# Allegro board ADRV9371-N_PCBZ_Layout_RevB.brd (continued)
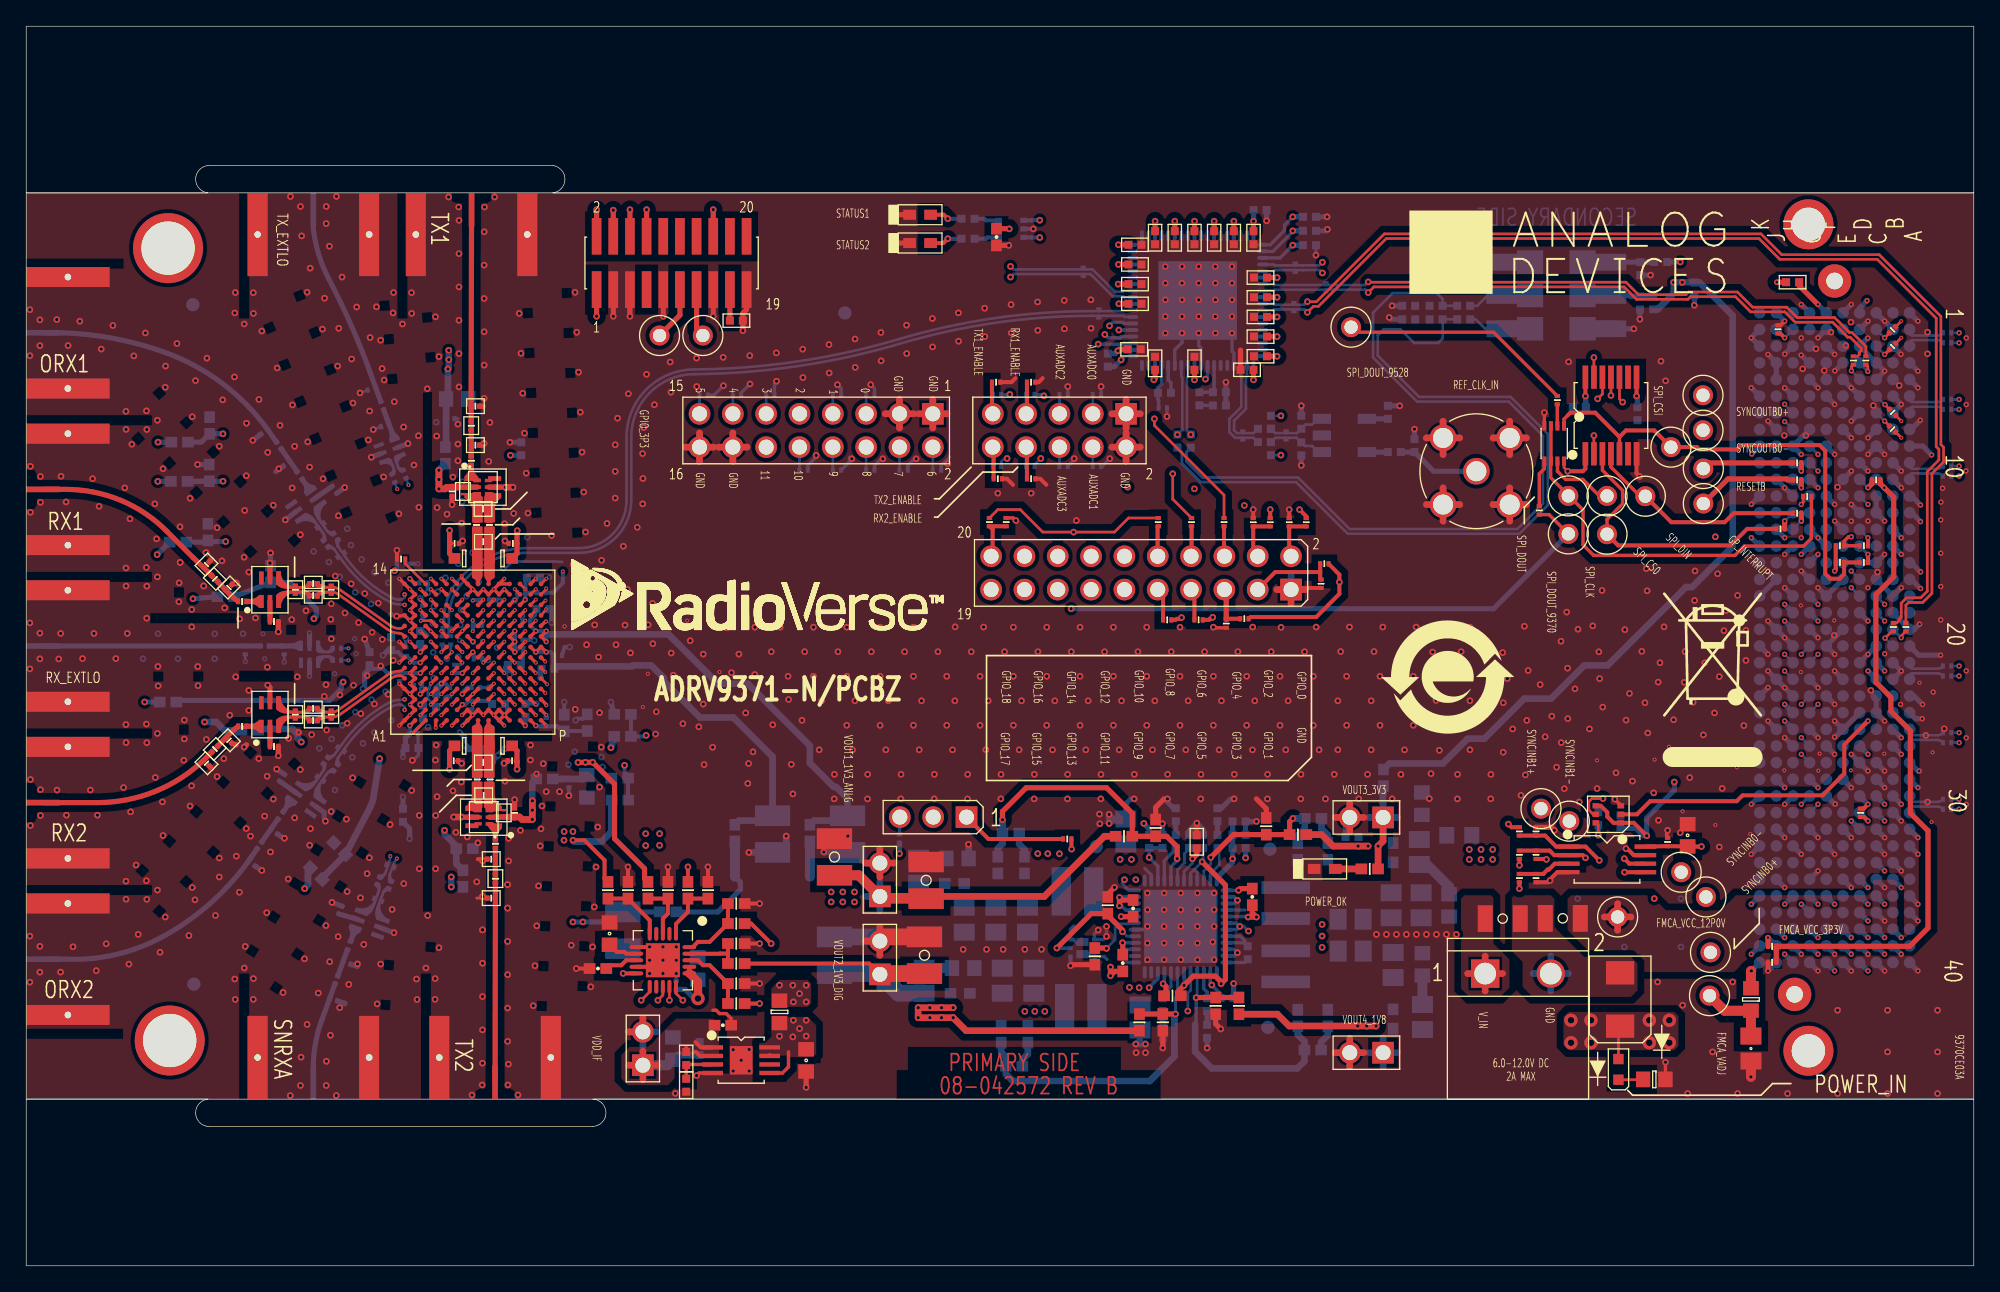
[diagram p0: board, top side]
## Routing (per net, layer and track width the routed paths; a pad name or vN(x,y) marks a point on that pad's centre or on a via; arc(x,y) is an arc through that point) (continued)
  L12_PWR w0.508: 100.88,15.16 P706.2 ; P706.2 100.88,17.32 ; P706.2 99.8,16.24 ; P706.2 101.96,16.24 ; 107.99,61.84 J401.2 ; J401.2 109.26,63.11 ; J401.2 106.72,63.11 ; J401.2 107.99,64.38 ; J401.5 107.99,59.3 ; J401.5 106.72,58.03 ; J401.5 109.26,58.03 ; J401.5 107.99,56.76 ; 68.02,64.94 P503.1 ; P503.1 69.1,63.86 ; P503.1 69.1,66.02 ; P503.1 70.18,64.94 ; P503.3 66.56,66.02 ; P503.3 67.64,64.94 ; P503.3 65.48,64.94 ; P503.3 66.56,63.86 ; J401.4 114.34,58.03 ; J401.4 113.07,56.76 ; J401.4 111.8,58.03 ; J401.4 113.07,59.3 ; 51.32,61.32 P503.16 ; P503.16 52.4,62.4 ; P503.16 50.24,62.4 ; P503.16 51.32,63.48 ; 65.52,25.81 P704.2 63.98,24.75 ; 53.86,61.32 P503.14 ; P503.14 52.78,62.4 ; P503.14 54.94,62.4 ; P503.14 53.86,63.48 ; 65.06,31.78 P703.2 66.14,30.7 ; 82.75,64.94 P501.1 ; P501.1 83.83,66.02 ; P501.1 84.91,64.94 ; P501.1 83.83,63.86 ; J401.3 114.34,63.11 ; J401.3 111.8,63.11 ; J401.3 113.07,61.84 ; J401.3 113.07,64.38 ; P705.2 101.96,34.18 ; P705.2 100.88,33.1 ; P705.2 100.88,35.26 ; P705.2 99.8,34.18 ; P501.2 84.91,62.4 ; P501.2 83.83,61.32 ; P501.2 83.83,63.48 ; P501.2 82.75,62.4
  L13_GND w0.508: P502.1 97.48,51.55 ; P502.1 95.32,51.55 ; P502.1 96.4,52.63 ; P502.1 96.4,50.47 ; P705.2 101.96,34.18 ; P705.2 99.8,34.18 ; P705.2 100.88,33.1 ; P705.2 100.88,35.26 ; P703.2 66.14,30.7 ; P703.2 65.06,31.78 ; P703.2 63.98,30.7 ; P703.2 65.06,29.62 ; 106.72,58.03 J401.5 ; J401.5 109.26,58.03 ; J401.5 107.99,59.3 ; J401.5 107.99,56.76 ; 82.75,64.94 P501.1 ; P501.1 83.83,66.02 ; P501.1 84.91,64.94 ; P501.1 83.83,63.86 ; J401.3 113.07,64.38 ; J401.3 113.07,61.84 ; J401.3 111.8,63.11 ; J401.3 114.34,63.11 ; P503.14 54.94,62.4 ; P503.14 53.86,63.48 ; P503.14 52.78,62.4 ; P503.14 53.86,61.32 ; 107.99,61.84 J401.2 ; J401.2 106.72,63.11 ; J401.2 107.99,64.38 ; J401.2 109.26,63.11 ; P503.16 52.4,62.4 ; P503.16 51.32,63.48 ; P503.16 51.32,61.32 ; P503.16 50.24,62.4 ; 47,16.75 47,17.83 ; 47,17.83 48.08,17.83 ; 47,17.83 47,18.91 ; 47,17.83 45.92,17.83 ; P706.2 101.96,16.24 ; P706.2 100.88,17.32 ; P706.2 99.8,16.24 ; P706.2 100.88,15.16 ; 83.83,61.32 P501.2 ; P501.2 82.75,62.4 ; P501.2 83.83,63.48 ; P501.2 84.91,62.4 ; 66.56,63.86 P503.3 ; P503.3 66.56,66.02 ; P503.3 67.64,64.94 ; P503.3 65.48,64.94 ; P701.2 117.53,22.27 ; P701.2 116.2,23.61 ; P701.2 116.2,20.94 ; P701.2 114.86,22.27 ; 63.98,24.75 P704.2 ; P704.2 66.14,24.75 ; P704.2 65.06,23.67 ; P704.2 65.06,25.83 ; 111.8,58.03 J401.4 ; J401.4 113.07,59.3 ; J401.4 113.07,56.76 ; J401.4 114.34,58.03 ; P503.1 69.1,66.02 ; P503.1 70.18,64.94 ; P503.1 68.02,64.94 ; P503.1 69.1,63.86
  BOTTOM w0.127: 23.95,20.11 L217.1 C217.2
  BOTTOM w0.203: C330.2 v4(16.69,46.06) ; 30.85,44.27 30.72,44.14 30.72,43.99 30.62,43.89 30.62,43.22 30.87,42.97 31,42.97 ; C331.2 v4(19.67,46.02) ; 27.04,63.96 v1(26.45,63.74) ; 36.63,53.26 37.05,53.68 40.14,53.68 40.85,53.65 ; 26.03,66.75 v1(25.44,66.54)
  BOTTOM w0.254: C506.2 v1(81.92,67.03) ; v5(28.44,44.38) 28.46,44.39 C621.2 ; C503.2 79.38,60.95 79.94,61.5 ; C619.2 33.08,45.81 v5(33.24,45.98) ; R417.1 v1(98.3,77.04) ; v1(82.59,61.53) 81.99,60.93 C505.2 ; C640.2 30.22,50.68 v3(30.03,50.87) ; v1(53.14,67.09) 52.42,66.37 C527.2 ; R419.2 98.44,78.89 ; C627.2 v3(35.19,46.18) ; U701.30 85.21,25.62 v1(85.46,25.87) ; U401.13 87.54,69.82 88.09,70.37 v1(88.09,71.09) ; v1(64.37,67.16) 64.65,66.88 C523.2 ; C645.2 30.3,48.37 30.62,48.05 ; v1(82.33,25.87) v1(82.33,25.11) 82.1,24.87 Q701.4 81.42,25.31 v1(81.7,25.59) ; v1(89.36,71.09) 89.36,70.14 89.54,69.96 U401.9 ; 32.89,64.58 C321.2 ; 70.37,61.64 69.73,61.01 C528.2 ; U701.10 92.06,24.12 v1(92.32,23.86) 92.07,23.62 U701.11 ; 67.83,61.64 67.19,61.01 C529.2 ; C526.2 54.49,66.55 v1(55.16,67.22) ; v1(29.43,38.53) 29.5,38.53 29.89,38.92 C603.2 29.87,39.49 C605.2 ; C610.2 33.97,42.05 v5(34.04,41.98) ; C413.2 v1(86.95,64.74) ; C615.2 v3(35.33,44.07) ; C609.2 36.64,42.82 36.64,42.17 v5(36.44,41.98) ; 62.75,61.64 62.75,61.29 C531.2 ; C642.2 37.41,50.9 v3(37.24,50.72) ; v1(49.55,22.28) 49.54,22.27 C649.2 ; C504.2 v1(79.38,67.03) ; 60.21,61.64 59.57,61.01 C532.2 ; U701.3 92.07,27.62 v1(92.32,27.86) 92.06,28.12 U701.2 ; C629.2 29.34,44.28 v5(29.24,44.38) ; v3(37.78,49.53) 37.78,49.52 C654.2 ; 62.11,66.85 62.11,66.88 v1(61.83,67.16) ; 62.11,66.85 61.8,67.16 ; 62.11,66.85 C524.2 ; C525.2 57.03,67.27 v1(57.18,67.43) ; C530.2 64.65,61.01 65.29,61.64 ; U401.4 92.04,68.63 92.04,69.57 91.9,69.7 v1(91.9,71.09) ; C644.2 v3(38.88,42.83) ; C606.2 32.1,43.25 v3(32.01,43.25) ; C625.2 v3(28.94,47.82)
  BOTTOM w0.305: v5(39.64,41.98) 39.63,41.96 C617.2 ; C613.2 41.03,47.16 v3(41.42,47.16) ; C326.2 41.37,35.84 v3(41.36,35.84) ; C633.2 v4(29.85,53.51) ; v3(38.72,47.66) 38.67,47.72 C637.2 ; C616.2 v3(41,42.97) ; C631.2 34.74,49.01 34.81,49.07 ; Q701.1 v1(79.6,22.87) ; v3(30.6,51.3) C641.2 ; U402.2 v1(76.76,79.04)
  BOTTOM w0.381: 86.73,35.59 87.45,34.87 C704.1 ; v1(93.76,33.87) C712.1 R710.2 ; C701.2 83.81,35.21 84.19,35.59 ; C620.2 v1(25.79,47.77)
  BOTTOM w0.394: v1(18.62,54.34) 18.62,54.34 C626.2 ; P801.J38 v2(134.02,25.02) ; P801.G32 v2(136.56,32.64) ; v2(144.54,42.79) 143.89,43.43 P801.A24 ; P801.A40 v2(144.18,22.48) ; P801.A37 v2(144.18,26.29) ; v1(99.17,79) 99.06,78.89 98.44,78.89 ; C219.2 25.24,22.81 ; P801.A9 144.55,62.48 v2(145.22,61.81) ; P801.A29 v2(144.18,36.45) ; P801.C28 v2(141.64,37.72) ; P801.B10 v2(142.91,60.58) ; v2(139.1,38.99) P801.D28 v2(140.37,37.72) ; P801.F6 v2(137.83,65.66) ; P801.K21 v2(132.75,46.61) ; C618.2 v3(44.56,42.97) ; v2(134.03,69.5) 134.63,70.1 P801.H3 ; v2(144.28,37.72) 144.19,37.72 P801.A28 ; v2(137.85,68.22) 137.86,68.22 P801.E4 ; P801.E26 137.88,40.31 v2(137.83,40.31) ; P801.E26 v2(137.83,41.53) ; P801.E26 P801.D25 ; P801.J40 v2(132.75,22.48) ; v2(132.75,49.15) P801.J20 v2(134.02,47.88) P801.H21 ; v2(132.75,52.96) P801.J17 P801.K18 ; P801.K3 v2(131.48,70.74) P801.K2 ; v1(97.18,61.01) R404.2 ; v1(99.15,79.96) R418.2 ; 24.24,20.02 24.25,19.98 24.31,19.99 ; 24.24,20.02 23.95,20.11 ; 24.24,20.02 C217.2 ; v2(144.39,52.9) 144.37,52.9 143.67,53.59 P801.A16 ; R428.2 104.04,72.15 103.9,72.29 v1(103.89,72.29) ; R403.1 v1(97.18,65.56) ; v1(90,16.6) C710.1 ; C653.2 40.03,49.91 v3(40.03,49.02) ; P801.K6 v2(131.48,66.93) ; P801.K30 v2(131.48,35.18) ; P801.E20 P801.F21 v2(137.83,46.61) ; v2(144.36,64.45) 143.66,63.75 P801.A8 ; P801.K24 132.75,44.07 v2(132.75,44.08) ; P801.F36 v2(137.83,27.56) ; P801.H39 v2(135.29,23.75) ; R236.2 v1(19.09,37.86) ; P801.H18 v2(134.02,51.69) ; P801.E1 v2(139.1,73.28) ; P801.E5 v2(139.1,66.93) P801.D6 ; P801.J29 v2(134.02,36.45) ; Y401.3 Y403.2 Y402.3 v1(122.53,71.42) ; P801.H24 v2(134.02,44.07) P801.J23 v2(132.75,45.34) ; P801.D13 v2(139.1,58.04) ; v2(144.38,58) 143.7,58.67 P801.A12 ; P801.E40 v2(139.1,22.48) ; v2(137.88,35.2) 137.81,35.2 P801.F30 ; C705.2 84.9,17.23 v1(84.57,16.9) ; P801.G29 v2(136.56,36.45) ; P801.G5 v2(136.56,66.93) ; P801.C20 P801.C21 v2(140.37,46.61) P801.D22 ; C636.2 36.57,45.68 36.57,45.53 36.84,45.26 v3(36.84,45.05) ; P801.J11 v2(134.02,59.31) P801.H12 ; P801.G40 v2(136.56,22.48) ; P801.B27 v2(142.91,38.99) ; P801.B26 v2(142.91,40.26) ; P801.A33 v2(144.18,31.37) ; P801.D37 v2(140.37,26.29) ; v2(142.89,69.48) 142.89,69.49 P801.B3 ; P801.B31 v2(142.91,33.91) ; C647.2 v1(36.86,62.77) ; P801.G26 v2(136.56,40.26) ; P801.B39 v2(142.91,23.75) ; v2(135.29,73.28) P801.G1 ; T307.5 v4(21.59,44.96) ; v2(141.64,41.53) P801.C25 P801.C24 ; P801.A4 v2(144.18,68.2) ; v2(145.91,46.55) 144.25,46.55 P801.A21 ; P801.G35 v2(136.56,30.1) ; R401.1 v1(105.81,63.78) ; P801.C1 v2(141.64,72.01) P801.B2 ; P801.K15 v2(131.48,55.5) ; P801.C17 P801.B18 v2(142.91,51.69) ; P801.K39 v2(131.48,23.75) ; P801.B11 v2(142.91,59.31) ; C420.2 v1(94.54,79.66) ; v1(19.68,32.59) 19.63,32.59 19.63,32.62 19.59,32.61 C235.2 ; P801.B35 v2(142.91,28.83) ; v2(144.31,48.91) 143.92,48.51 P801.A20 P801.B19 ; C737.1 100.54,33.84 P705.2 ; R713.2 88.63,33.16 v1(89.22,33.74) 89.7,33.26 C702.1 ; T308.2 v1(29.1,62.67) ; v2(140.37,63.12) P801.C8 ; P801.B23 v2(142.91,45.34) P801.B22 ; P801.H6 v2(134.02,66.93) ; R402.1 v1(104.68,65.55) ; P801.H30 v2(134.02,35.18) ; P801.D16 P801.C16 v2(141.64,54.23) ; v2(132.75,69.47) P801.J4 P801.J5 ; T204.5 22.7,34.57 22.7,34.16 ; v1(13.06,61.08) 13.06,61.07 C630.2 ; v2(137.83,61.85) P801.F9 ; P801.C36 v2(141.64,27.56) ; P801.B38 v2(142.91,25.02) ; P801.F15 v2(136.56,55.5) P801.G14 ; v1(127.14,73.22) C738.1 ; P801.F3 v2(137.83,69.47) ; C708.1 91.09,34.87 91.81,35.59 ; P801.E35 v2(139.1,28.83) ; C405.1 v1(109.44,77.5) ; P801.B34 v2(142.91,30.1) ; v3(39.2,44.83) 39.2,45.55 C612.2 ; P801.G4 135.87,68.83 v2(135.28,69.42) ; P801.K12 v2(131.48,58.04) ; C711.1 v1(92.02,21.51) ; P801.A36 v2(144.18,27.56) ; P801.E32 v2(139.1,32.64) ; v2(144.38,56.73) 143.7,57.4 P801.A13 ; P801.J26 v2(132.75,41.53) ; v2(140.37,61.85) P801.C9 v2(141.64,61.85) ; P801.G8 P801.H9 v2(135.29,61.85) ; P801.D2 v2(140.37,72.01) ; T307.2 v4(21.59,48.23) ; P801.A5 v2(144.18,66.93) ; P801.J14 v2(134.02,55.5) ; v2(139.1,64.39) P801.D7 ; P801.F33 v2(137.83,31.37) ; P801.B30 v2(142.91,35.18) ; P801.E17 P801.F18 v2(136.56,51.69) ; P801.E14 v2(137.83,56.77) ; v2(139.1,63.12) P801.E8 ; P801.G17 v2(135.29,52.96) ; C233.2 17.9,30.18 17.9,30.14 v1(17.96,30.14) ; P801.A32 v2(144.18,32.64) ; v1(86.6,33.69) R706.2 ; P801.G23 v2(136.56,44.07) ; P801.C29 v2(141.64,36.45) ; P801.J8 v2(132.75,64.39) ; C404.2 v1(123.8,75.51) ; v2(140.36,70.71) 140.35,70.71 P801.D3 P801.C4 v2(141.64,68.2) P801.C5 ; P801.D10 v2(140.37,60.58) ; P801.F24 v2(137.83,42.8) ; P801.F27 v2(137.83,38.99) ; P801.G38 v2(136.56,25.02) ; P801.E23 v2(137.83,45.34) ; P801.J1 v2(134.02,72.01) ; P801.A17 143.67,52.32 144.37,51.63 v2(144.39,51.63) ; P801.C40 v2(141.64,22.48) ; T202.5 v1(28.03,25.39) ; v2(144.51,41.7) 144.01,41.7 P801.A25 ; P801.H36 v2(134.02,27.56) ; v1(122.99,72.16) R409.1 ; P801.K33 v2(131.48,31.37) ; P801.J35 v2(134.02,28.83) ; P801.B15 v2(142.91,54.23) ; P801.F2 v2(136.56,70.74) ; P801.H27 v2(134.02,40.26) ; P801.H33 v2(135.29,31.37) ; T308.5 v1(26.3,61.63) ; P801.J32 v2(134.02,32.64) ; P801.C38 v2(141.64,25.02) ; P801.B6 v2(142.91,65.66) P801.B7 ; P801.A1 v2(144.18,72.01) ; R228.2 v1(24.27,59.32) ; C406.1 v1(104.1,73.18) ; P801.F12 v2(137.83,58.04) ; P801.K9 v2(131.52,61.88) ; P801.K36 v2(131.48,27.56) ; P801.B14 v2(142.91,55.5) ; P801.C32 v2(141.64,32.64) ; v1(91.44,67.36) C410.1 C411.1 ; P801.F39 v2(137.83,23.75) ; P801.K27 v2(131.48,38.99) ; P801.D39 v2(140.37,23.75) ; C635.2 36.1,50.75 ; P801.E38 v2(139.1,25.02) ; C227.2 19.02,60.54 ; P801.C12 P801.C13 v2(141.64,56.77) ; v2(139.1,60.58) P801.E11 ; P801.H15 v2(134.02,54.23) ; P801.E29 v2(139.1,36.45) ; P801.G11 v2(136.56,59.31) ; C706.1 v1(86.63,16.6) ; P801.G20 v2(136.56,47.88) ; T203.5 v1(19.75,56.86) ; C225.2 v1(17.27,62.92) ; P801.D19 v2(140.37,49.15) ; P801.C33 v2(141.64,31.37) ; C220.2 v1(23.3,27.7)
  BOTTOM w0.508: P503.14 53.86,63.48 ; P503.14 54.94,62.4 ; P503.14 53.86,61.32 ; P503.14 52.78,62.4 ; 82.75,62.4 P501.2 ; P501.2 83.83,63.48 ; P501.2 83.83,61.32 ; P501.2 84.91,62.4 ; P502.1 97.48,51.55 ; P502.1 95.32,51.55 ; P502.1 96.4,52.63 ; 99.8,16.24 P706.2 100.88,15.16 ; 63.98,30.7 P703.2 65.06,31.78 ; P503.16 52.4,62.4 ; P503.16 51.32,63.48 ; P503.16 50.24,62.4 ; P503.16 51.32,61.32 ; 47,17.83 48.08,17.83 ; 47,17.83 47,18.91 ; 47,17.83 45.92,17.83 ; 47,17.83 47,16.75 ; J401.3 113.07,64.38 ; J401.3 114.34,63.11 ; J401.3 111.8,63.11 ; J401.3 113.07,61.84 ; J401.4 113.07,59.3 ; J401.4 111.8,58.03 ; J401.4 114.34,58.03 ; 114.86,22.27 P701.2 ; P701.2 116.2,20.94 ; P701.2 117.53,22.27 ; P701.2 116.2,23.61 ; 65.48,64.94 P503.3 ; P503.3 66.56,63.86 ; P503.3 67.64,64.94 ; P503.3 66.56,66.02 ; 65.06,23.67 P704.2 ; P704.2 66.14,24.75 ; P704.2 63.98,24.75 ; P704.2 65.06,25.83 ; P501.1 84.91,64.94 ; P501.1 83.83,66.02 ; P501.1 82.75,64.94 ; P501.1 83.83,63.86 ; v1(84.57,16.9) v1(85.31,16.9) ; v1(71.82,32.12) 71.83,32.11 R732.2 ; P503.1 69.1,66.02 ; P503.1 70.18,64.94 ; P503.1 69.1,63.86 ; P503.1 68.02,64.94 ; 106.72,58.03 J401.5 ; J401.5 107.99,59.3 ; J401.5 109.26,58.03 ; 106.72,63.11 J401.2 ; J401.2 109.26,63.11 ; J401.2 107.99,64.38 ; J401.2 107.99,61.84 ; v1(55.08,31.51) C611.2 57.51,31.51 57.92,31.92 v1(57.92,32.75) ; 100.88,35.26 P705.2 99.8,34.18 ; v1(82.54,34.4) v1(82.54,33.72) 82.88,34.06 C701.2 ; v1(60.79,31.54) 62.56,31.54 C652.2 62.62,31.53 v1(62.62,32.75)
  BOTTOM w1.27: P704.2 64.75,25.07 C639.2
  vias: v1(0.27,72.88) v1(0.28,69.37) v1(0.27,49) v1(0.28,45.5) v1(0.27,25.13) v1(0.28,21.62) v1(0.32,60.94) v1(0.32,57.43) v1(0.32,37.07) v1(0.32,33.56) v1(1.04,72.1) v1(1.04,70.14) v1(1.08,60.17) v1(1.08,58.2) v1(1.04,48.23) v1(1.04,46.26) v1(1.08,36.29) v1(1.08,34.32) v1(1.04,24.35) v1(1.04,22.39) v1(2.33,72.13) v1(2.34,36.26) v1(2.48,46.26) v1(2.65,60.18) v1(2.62,48.2) v1(2.62,22.39) v1(3.03,58.22) v1(3.06,34.35) v1(3.19,70.14) v1(3.56,24.32) v1(4.08,72) v1(4.29,46.29) v1(4.88,36.26) v1(5.06,60) v1(5.16,48.2) v1(5.33,22.5) v1(5.42,34.35) v1(5.55,57.9) v1(5.71,69.88) v1(6.09,24.55) v1(6.6,71.67) v1(6.83,46.29) v1(7.42,36.45) v1(7.51,59.3) v1(7.6,65.13) v1(7.61,63.76) v1(7.6,53.19) v1(7.61,51.82) v1(7.6,41.25) v1(7.61,39.88) v1(7.6,29.32) v1(7.61,27.94) v1(7.7,48.2) v1(7.82,22.99) v1(7.9,56.94) v1(7.95,34.6) v1(8.05,62.62) v1(8.2,69.36) v1(8.37,30.55) v1(8.53,25.26) v1(9.08,71.11) v1(9.16,65.17) v1(9.16,53.23) v1(9.18,49.36) v1(9.16,41.29) v1(9.16,29.36) v1(9.19,63.75) v1(9.19,51.81) v1(9.19,39.87) v1(9.19,27.93) v1(9.8,58.08) v1(9.84,37.22) v1(9.93,55.41) v1(10,64.45) v1(10,52.51) v1(10.04,45.68) v1(10.06,44.2) v1(10,40.58) v1(10,28.64) v1(10.2,23.9) v1(10.38,35.36) v1(10.43,60.76) v1(10.43,32.8) v1(10.62,68.58) v1(10.59,66.96) v1(10.59,26.59) v1(11.49,70.3) v1(11.65,52.06) v1(11.63,50.62) v1(11.72,56.33) v1(11.73,53.62) v1(12.05,41.6) v1(12.05,40.16) v1(12.01,38.54) v1(12.49,58.51) v1(12.49,35.04) v1(12.4,25.17) v1(12.65,64.72) v1(12.61,50.03) v1(12.61,48.7) v1(12.6,36.59) v1(12.65,28.83) v1(12.86,27.89) v1(12.9,67.47) v1(13.07,45.68) v1(13.09,44.22) v1(13.53,51.82) v1(13.77,69.19) v1(13.71,54.35) v1(13.73,40.12) v1(14.42,26.7) v1(14.55,56.26) v1(14.55,37.29) v1(14.71,62.47) v1(14.71,31.08) v1(14.71,29.64) v1(14.98,66.01) v1(14.92,53.73) v1(15.06,38.65) v1(15.12,50.15) v1(15.52,41.97) v1(15.87,67.76) v1(15.93,74.19) v1(15.89,72.63) v1(15.96,44.89) v1(15.89,21.86) v1(15.93,20.3) v1(16.01,31.23) v1(16.27,49.31) v1(16.24,28.47) v1(16.61,71.79) v1(16.65,57.58) v1(16.6,54.01) v1(16.61,22.7) v1(16.77,60.22) v1(16.77,33.33) v1(16.69,24.34) v1(16.79,64.23) v1(16.96,52.88) v1(16.96,43.86) v1(16.96,42.34) v1(17.09,32.75) v1(17.31,74.18) v1(17.32,72.6) v1(17.32,21.89) v1(17.31,20.31) v1(17.47,49.39) v1(17.74,66.04) v1(17.73,38.65) v1(17.96,71.25) v1(18.17,34.27) v1(18.38,45.63) v1(18.36,37.32) v1(18.33,26.92) v1(18.41,62) v1(18.61,31.54) v1(18.83,57.98) v1(18.83,35.58) v1(19.12,68.44) v1(19.25,60.75) v1(19.34,64.07) v1(19.57,20.83) v1(19.97,29.49) v1(20,40.2) v1(20.13,81.51) v1(20.12,12.97) v1(20.27,59.29) v1(20.23,49.25) v1(20.29,65.62) v1(20.46,62.47) v1(20.46,34.15) v1(20.66,44.89) v1(20.9,80.75) v1(20.89,55.73) v1(20.89,37.82) v1(20.95,15.9) v1(20.9,13.74) v1(20.99,78.5) v1(21.21,23.4) v1(21.32,49.93) v1(21.41,74.22) v1(21.46,62.81) v1(21.41,18.4) v1(21.64,76.05) v1(21.6,60.88) v1(21.66,33.32) v1(21.6,32.06) v1(22.26,20.79) v1(22.57,71.4) v1(22.62,59.99) v1(22.74,73.76) v1(22.87,80.75) v1(22.86,79.44) v1(22.85,44.3) v1(22.81,33.89) v1(22.84,25.93) v1(22.88,15.59) v1(22.86,13.74) v1(23.11,77.72) v1(23.13,23.18) v1(23.19,17.57) v1(23.21,49.27) v1(23.25,47.79) v1(23.24,34.63) v1(23.64,81.51) v1(23.63,12.98) v1(23.74,68.58) v1(23.77,25.09) v1(23.82,71.46) v1(23.79,57.17) v1(23.89,19.67) v1(24.07,75.37) v1(24.4,34.04) v1(24.46,28.53) v1(24.58,21.45) v1(24.8,69.12) v1(24.88,37.2) v1(24.9,65.77) v1(25.19,73.09) v1(25.25,23.01) v1(25.47,28.05) v1(25.73,24.49) v1(25.98,29.89) v1(26.07,62.95) v1(26.17,65.16) v1(26.15,31.1) v1(26.21,70.76) v1(26.69,73.1) v1(26.75,19.96) v1(27.01,70.55) v1(27.01,23) v1(27.13,68.39) v1(27.28,67.52) v1(27.24,60.14) v1(27.73,33.63) v1(27.89,27.16) v1(27.95,72.63) v1(27.99,74.19) v1(28.05,65.87) v1(28.4,57.32) v1(28.67,71.79) v1(28.76,63.94) v1(28.77,29.13) v1(29.37,74.18) v1(29.38,72.6) v1(29.38,36.23) v1(29.55,61.04) v1(29.75,21.86) v1(29.79,20.3) v1(29.89,63.27) v1(29.92,57.81) v1(29.96,34.33) v1(29.96,30.26) v1(30.46,22.7) v1(30.57,66.85) v1(30.59,26.69) v1(31.19,38.55) v1(31.17,21.89) v1(31.16,20.31) v1(31.19,72.34) v1(31.28,63.25) v1(31.24,39.7) v1(31.2,34.33) v1(31.2,30.26) v1(31.31,57.79) v1(31.31,35.76) v1(31.46,69.3) v1(31.46,24.25) v1(32.07,57.3) v1(32.19,81.47) v1(32.52,60.12) v1(32.53,36.2) v1(32.75,33.04) v1(32.96,80.71) v1(32.98,79.69) v1(32.98,77.15) v1(32.98,74.61) v1(32.98,72.07) v1(32.98,69.53) v1(32.98,66.99) v1(32.9,64.16) v1(32.9,62.64) v1(32.9,61.37) v1(33.19,56.61) v1(33.16,36.88) v1(33.61,32.69) v1(33.97,13.02) v1(34.34,29.27) v1(34.43,32.24) v1(34.78,30.86) v1(34.77,28.14) v1(34.77,25.6) v1(34.77,23.06) v1(34.77,20.52) v1(34.77,17.98) v1(34.77,15.44) v1(34.75,13.78) v1(34.93,80.71) v1(34.9,78.82) v1(34.9,76.28) v1(34.9,73.74) v1(34.9,71.2) v1(34.9,68.66) v1(34.9,66.12) v1(35.25,61.31) v1(35.34,64.28) v1(35.7,81.47) v1(36.46,56.56) v1(36.49,36.94) v1(36.69,29.06) v1(36.76,32.59) v1(36.76,30.86) v1(36.69,27.27) v1(36.69,24.73) v1(36.69,22.19) v1(36.69,19.65) v1(36.69,17.11) v1(36.75,15.37) v1(36.72,13.78) v1(37.15,57.35) v1(37.48,13.02) v1(37.58,72.6) v1(37.66,33.19) v1(37.71,69.56) v1(37.84,66.51) v1(37.97,63.47) v1(38.11,60.42) v1(38.24,57.38) v1(38.43,39.7) v1(38.43,38.55) v1(38.64,19.82) v1(38.78,22.87) v1(38.91,25.91) v1(39.04,28.96) v1(39.18,32) v1(39.23,33.31) v1(39.31,35.05) v1(39.4,38.27) v1(39.63,36.14) v1(40.04,55.66) v1(40.65,36.14) v1(41.54,24.44) v1(41.7,53.46) v1(41.83,74.2) v1(41.84,42.41) v1(41.96,71.16) v1(42.1,68.11) v1(42.23,65.07) v1(42.36,62.02) v1(42.49,58.98) v1(42.63,55.93) v1(42.71,47.34) v1(43.03,21.26) v1(43.16,24.31) v1(43.32,48.86) v1(43.3,27.35) v1(43.43,30.4) v1(43.56,33.44) v1(43.62,46.4) v1(43.7,42.16) v1(43.69,36.49) v1(43.85,53.77) v1(43.83,39.54) v1(44.27,56.59) v1(44.89,62.59) v1(44.89,60.55) v1(44.89,58.52) v1(44.95,47.34) v1(45.07,64.61) v1(45.51,54.85) v1(45.64,48.84) v1(45.82,51.56) v1(45.89,66.47) v1(46.05,46.72) v1(46.57,56.3) v1(46.98,61.91) v1(46.99,58.08) v1(47.06,63.89) v1(47,60.01) v1(47.28,67.95) v1(47.4,48.86) v1(47.51,23.29) v1(47.51,22.28) v1(47.74,50.49) v1(47.76,47.42) v1(47.88,65.64) v1(48.53,24.31) v1(48.53,23.29) v1(48.53,22.28) v1(49.08,68.9) v1(49.14,66.6) v1(49.16,46.71) v1(49.32,45.02) v1(49.48,13.14) v1(49.55,24.31) v1(49.55,23.29) v1(50.05,41.32) v1(50.61,47.65) v1(51.09,69.19) v1(51.1,67.03) v1(51.26,41.08) v1(51.6,46.62) v1(51.6,42.82) v1(51.66,38.2) v1(52.32,39.52) v1(53.12,69.25) v1(53.37,48.63) v1(53.75,45.21) v1(53.88,16.47) v1(53.88,14.84) v1(54.32,46.62) v1(54.49,15.67) v1(54.83,42.15) v1(55.06,38.29) v1(55,36.77) v1(55.15,69.38) v1(55.1,16.49) v1(55.1,14.84) v1(55.39,39.17) v1(55.54,48.68) v1(55.53,45.07) v1(56.79,46.81) v1(56.9,41.24) v1(57.17,69.59) v1(57.46,48.68) v1(58.07,44.94) v1(58.1,43.17) v1(58.31,38.22) v1(58.44,35.97) v1(59.18,69.87) v1(59.13,41.58) v1(59.2,67.71) v1(59.33,46.81) v1(60,48.68) v1(60,44.94) v1(60.21,61.78) v1(60.44,39.33) v1(60.62,43.07) v1(61.18,70.22) v1(61.2,68.06) v1(61.58,35.59) v1(61.6,37.46) v1(61.87,46.81) v1(62.54,48.68) v1(62.54,44.94) v1(62.54,41.2) v1(62.92,61.51) v1(62.98,39.33) v1(63.17,70.65) v1(63.19,68.48) v1(63.16,43.07) v1(64.14,37.46) v1(64.12,35.59) v1(64.41,46.81) v1(65.08,48.68) v1(65.08,44.94) v1(65.08,41.2) v1(65.14,71.14) v1(65.16,68.98) v1(65.29,61.51) v1(65.52,39.33) v1(65.7,43.07) v1(66.68,37.46) v1(66.66,35.59) v1(66.95,46.81) v1(67.09,71.7) v1(67.11,69.54) v1(67.62,48.68) v1(67.62,44.94) v1(67.62,41.2) v1(67.83,61.51) v1(68.06,39.33) v1(68.24,43.07) v1(69.06,72.21) v1(69.08,70.04) v1(69.22,37.46) v1(69.2,35.59) v1(69.49,46.81) v1(70.16,44.94) v1(70.16,41.2) v1(70.24,61.13) v1(70.6,39.33) v1(70.78,43.07) v1(70.8,48.7) v1(71.05,72.64) v1(71.06,70.48) v1(71.41,24.12) v1(71.76,37.46) v1(71.74,35.59) v1(72.03,46.81) v1(72.7,44.94) v1(72.7,41.2) v1(72.97,48.69) v1(73.05,72.99) v1(73.06,70.83) v1(73.14,39.33) v1(73.19,24.12) v1(73.32,43.07) v1(74.05,58.89) v1(74.28,35.59) v1(74.3,37.46) v1(74.46,24.12) v1(74.57,46.81) v1(75.06,73.27) v1(75.08,71.11) v1(75.24,48.68) v1(75.24,44.94) v1(75.24,41.2) v1(75.68,39.33) v1(75.86,43.07) v1(76.11,24.12) v1(76.59,58.89) v1(76.84,37.46) v1(76.82,35.59) v1(77.08,73.47) v1(77.1,71.31) v1(77.11,46.81) v1(77.38,24.12) v1(77.78,48.68) v1(77.78,44.94) v1(77.78,41.2) v1(78.22,39.33) v1(78.4,43.07) v1(79.11,73.59) v1(79.13,71.43) v1(79.38,37.46) v1(79.36,35.59) v1(79.65,46.81) v1(79.87,61.53) v1(80.04,56.81) v1(80.32,48.68) v1(80.32,44.94) v1(80.32,41.2) v1(80.76,39.33) v1(80.94,43.07) v1(81.14,73.63) v1(81.16,71.47) v1(81.8,34.43) v1(81.83,33.69) v1(81.92,37.46) v1(81.9,35.59) v1(82.19,46.81) v1(82.86,48.68) v1(82.86,44.94) v1(82.86,41.2) v1(83.3,39.33) v1(83.48,43.07) v1(84.46,37.46) v1(84.44,35.59) v1(84.59,16.24) v1(84.73,46.81) v1(85.31,16.24) v1(85.4,48.68) v1(85.4,44.94) v1(85.4,41.2) v1(85.46,28.41) v1(85.46,27.14) v1(85.46,24.6) v1(85.46,23.33) v1(85.84,39.33) v1(86.02,43.07) v1(86.73,28.41) v1(86.73,27.14) v1(86.73,25.87) v1(86.73,24.6) v1(86.73,23.33) v1(86.82,76.17) v1(86.82,74.9) v1(86.82,73.63) v1(86.82,72.36) v1(86.82,71.09) v1(86.98,35.59) v1(87,37.46) v1(87.27,46.81) v1(87.94,48.68) v1(87.94,44.94) v1(87.94,41.2) v1(88,28.41) v1(88,27.14) v1(88,25.87) v1(88,24.6) v1(88,23.33) v1(88.09,76.17) v1(88.09,74.9) v1(88.09,73.63) v1(88.09,72.36) v1(88.38,39.33) v1(88.56,43.07) v1(89.27,28.41) v1(89.27,27.14) v1(89.27,25.87) v1(89.27,24.6) v1(89.27,23.33) v1(89.36,76.17) v1(89.36,74.9) v1(89.36,73.63) v1(89.36,72.36) v1(89.54,37.46) v1(89.52,35.59) v1(89.81,46.81) v1(90.48,48.68) v1(90.48,44.94) v1(90.48,41.2) v1(90.43,24.68) v1(90.54,28.41) v1(90.54,27.14) v1(90.54,25.87) v1(90.54,23.33) v1(90.63,76.17) v1(90.63,74.9) v1(90.63,73.63) v1(90.63,72.36) v1(90.63,71.09) v1(90.92,39.33) v1(91.1,43.07) v1(91.9,76.17) v1(91.9,74.9) v1(91.9,73.63) v1(91.9,72.36) v1(92.08,37.46) v1(92.06,35.59) v1(92.35,46.81) v1(93.02,44.94) v1(93.02,41.2) v1(93.48,48.69) v1(93.46,39.33) v1(93.64,43.07) v1(94.62,37.46) v1(94.6,35.59) v1(94.89,46.81) v1(95.56,44.94) v1(95.56,41.2) v1(95.64,48.66) v1(96,39.33) v1(96.18,43.07) v1(97.16,37.46) v1(97.14,35.59) v1(97.43,46.81) v1(98.1,44.94) v1(98.1,41.2) v1(98.32,48.69) v1(98.54,39.33) v1(99.02,35.59) v1(99.7,37.46) v1(99.97,43.07) v1(99.97,39.33) v1(100.19,46.82) v1(100.64,44.94) v1(100.64,41.2) v1(100.86,48.69) v1(101.56,35.59) v1(102.24,37.46) v1(102.51,43.07) v1(102.51,39.33) v1(102.73,46.82) v1(102.91,25.26) v1(103.18,44.94) v1(103.18,41.2) v1(103.4,48.69) v1(103.67,25.26) v1(104.1,35.59) v1(104.43,25.26) v1(104.78,37.46) v1(105.05,43.07) v1(105.05,39.33) v1(105.27,46.82) v1(105.19,25.26) v1(105.72,44.94) v1(105.72,41.2) v1(105.94,48.69) v1(105.96,25.26) v1(106.72,25.26) v1(106.94,35.61) v1(107.07,37.51) v1(107.2,46.78) v1(107.45,43.1) v1(107.48,25.26) v1(107.71,39.29) v1(107.96,45) v1(107.96,41.19) v1(108.24,25.26) v1(109.08,35.59) v1(109,25.26) v1(109.09,37.46) v1(109.37,46.81) v1(110.04,48.68) v1(110.04,44.94) v1(110.04,43.07) v1(110.04,41.2) v1(110.04,39.33) v1(111.63,37.46) v1(111.62,35.59) v1(112.53,46.74) v1(112.57,42.92) v1(112.57,39.14) v1(112.89,44.76) v1(113.3,40.92) v1(113.93,35.86) v1(114.19,48.75) v1(114.26,37.42) v1(114.37,41.58) v1(114.47,45.37) v1(115.39,44.31) v1(115.77,40.33) v1(116.28,41.89) v1(116.64,38) v1(116.98,47.61) v1(117,39.88) v1(117.23,36.37) v1(117.41,49.83) v1(117.47,45.55) v1(117.56,68.91) v1(117.5,41.7) v1(118.04,43.98) v1(118.27,48.52) v1(118.37,35.35) v1(119.15,40.92) v1(119.4,48.78) v1(119.73,36.38) v1(119.86,46.8) v1(119.92,44.76) v1(120.1,51.48) v1(120.16,42.59) v1(121.17,37.58) v1(121.84,48.49) v1(121.94,41.6) v1(122.2,43.63) v1(122.43,36.94) v1(123.14,46.84) v1(123.38,42.92) v1(123.48,53.14) v1(123.54,51.45) v1(123.6,40.61) v1(124.04,36.05) v1(124.09,27.99) v1(124.38,44.49) v1(124.34,21.64) v1(124.41,33.96) v1(124.52,45.97) v1(124.6,68.96) v1(124.83,48.7) v1(124.95,67.46) v1(125.56,41.62) v1(126.06,33) v1(126.25,19.86) v1(126.37,44.48) v1(126.44,46.82) v1(126.63,13.13) v1(126.79,37.21) v1(127.05,42.96) v1(127.16,50.72) v1(127.19,52.97) v1(127.82,40.47) v1(127.94,45.96) v1(128.53,16.3) v1(128.68,42.14) v1(128.75,55.57) v1(129.04,44.91) v1(129.04,31.92) v1(129.26,36.39) v1(129.4,48.41) v1(129.55,49.95) v1(130.06,21.64) v1(130.13,43.15) v1(130.44,13.13) v1(130.91,41.18) v1(131.07,48.43) v1(131.07,46.15) v1(134.25,13.13) v1(138.06,19.48) v1(138.06,13.13) v1(141.87,19.48) v1(141.87,16.3) v1(141.87,13.13) v1(145.68,19.48) v1(145.68,16.3) v1(145.68,13.13) v2(135.29,70.74) v2(135.29,55.5) v2(139.1,56.77) v2(140.37,56.77) v2(140.37,51.69) v2(141.65,46.65) v2(142.86,42.8) v2(145.35,43.73) v2(145.93,58.21) v2(145.92,56.86) v2(145.92,54.32) v2(145.92,51.78) v2(145.92,49.24) v2(146.06,59.27) v2(147.87,70.73) v2(147.87,65.65) v2(147.84,60.59) v2(147.87,45.35) v2(147.87,40.25) v2(147.87,35.17) v3(8.9,46.27) v3(10.04,48.18) v3(11.57,46.27) v3(14.36,48.18) v3(14.36,46.27) v3(16.52,48.18) v3(21.9,54.45) v3(22.34,39.44) v3(23.07,53.64) v3(23.28,40.15) v3(23.53,36.27) v3(23.89,52.52) v3(24.09,41.19) v3(24.47,56.18) v3(24.75,54.94) v3(24.85,38.76) v3(25.08,51.33) v3(25.08,42.21) v3(25.56,53.84) v3(25.66,39.82) v3(26.27,50.44) v3(26.32,43.15) v3(26.55,52.85) v3(26.53,40.66) v3(27.39,43.76) v3(27.59,52.07) v3(27.82,41.58) v3(30.62,41.07) v3(30.97,48.99) v3(31.07,50.26) v3(31.02,46.76) v3(31.05,44.8) v3(31.25,64.31) v3(31.38,51.38) v3(31.96,52.45) v3(32.06,46.27) v3(32.44,54.94) v3(32.93,53.51) v3(32.93,46.43) v3(33.08,48.84) v3(33.13,49.98) v3(33.23,59.76) v3(33.23,58.26) v3(33.47,60.97) v3(33.56,51.05) v3(34.02,54.35) v3(34.48,52.12) v3(35.26,54.99) v3(35.39,52.73) v3(35.89,47.12) v3(36.08,49.65) v3(36.1,50.62) v3(36.36,53.18) v3(38.19,55.53) v3(40.65,36.14) v3(41.33,38.2) v3(41.82,39.19) v3(43.85,38.78) v3(43.93,38.02) v3(118.25,27.99) v3(121.8,24.3) v3(126.12,27.99) v3(126.12,24.3) v4(18.04,48.18) v4(18.17,46.27) v4(23.5,45.13) v4(25.03,47.8) v4(25.16,46.66) v4(27.8,49.65) v4(33.03,47.67) v4(39.89,52.5) v5(41.03,48.74) v5(43.44,50.34) v5(43.95,52.12) v5(47,42.59) v5(47.38,45.13) v5(50.38,49.17) v5(51.85,44.22) v5(52.84,45.26) v5(54.67,43.58) v5(119.72,38.53) v5(124.11,38.58) v5(125.21,39.57) v5(126.25,34.64) v5(127.14,38.81) v5(128.74,33.6) v5(130.39,37.99) v5(131.4,32.91) v5(133.99,37.77) v5(135.26,50.34) v5(135.26,45.26) v5(136.58,37.74) v5(136.69,39.04) v5(137.8,49.2) v5(139.07,37.77) v5(141.61,39.04) v5(144.31,44.45) v5(145.22,33.83) v5(145.3,39.14) v6(41.03,48.74) v8(11.73,53.62) v8(13.53,51.82) v8(13.71,54.35) v8(20.76,40.66) v8(21.75,40.48) v8(22.72,43.4) v8(22.89,40.84) v8(23.25,50.47) v8(23.55,52.57) v8(23.91,43.51) v8(24.29,49.76) v8(24.47,41.35) v8(24.77,51.99) v8(24.94,44.25) v8(25.33,49.03) v8(25.5,42.09) v8(25.8,51.25) v8(25.98,44.99) v8(26.36,48.29) v8(26.53,42.83) v8(26.84,50.51) v8(27.01,45.72) v8(27.14,47.75) v8(27.57,43.56) v8(27.97,46.15) v8(34.77,28.14) v8(34.77,25.6) v8(36.69,29.06) v8(36.69,27.27) v8(36.69,24.73) v8(38.9,37.49) v8(47.96,40.53) v8(48.02,42.23) v8(128.91,52.75) v8(130.44,51.1) v8(133.99,63.29) v8(135.39,68.37) v8(135.65,63.29) v8(136.41,69.9) v8(137.04,68.25) v8(137.55,71.17) v8(137.8,48.05) v8(138.06,59.36) v8(138.69,70.15) v8(139.07,71.93) v8(140.6,43.86) v8(140.78,65.58) v8(141.11,52.88) v8(142.76,67.1) v8(144.79,40.43) v8(144.92,71.17) v8(144.92,69.52) v8(144.92,35.35) v8(146.19,40.94)
